# KiCad board panel.kicad_pcb (continued)
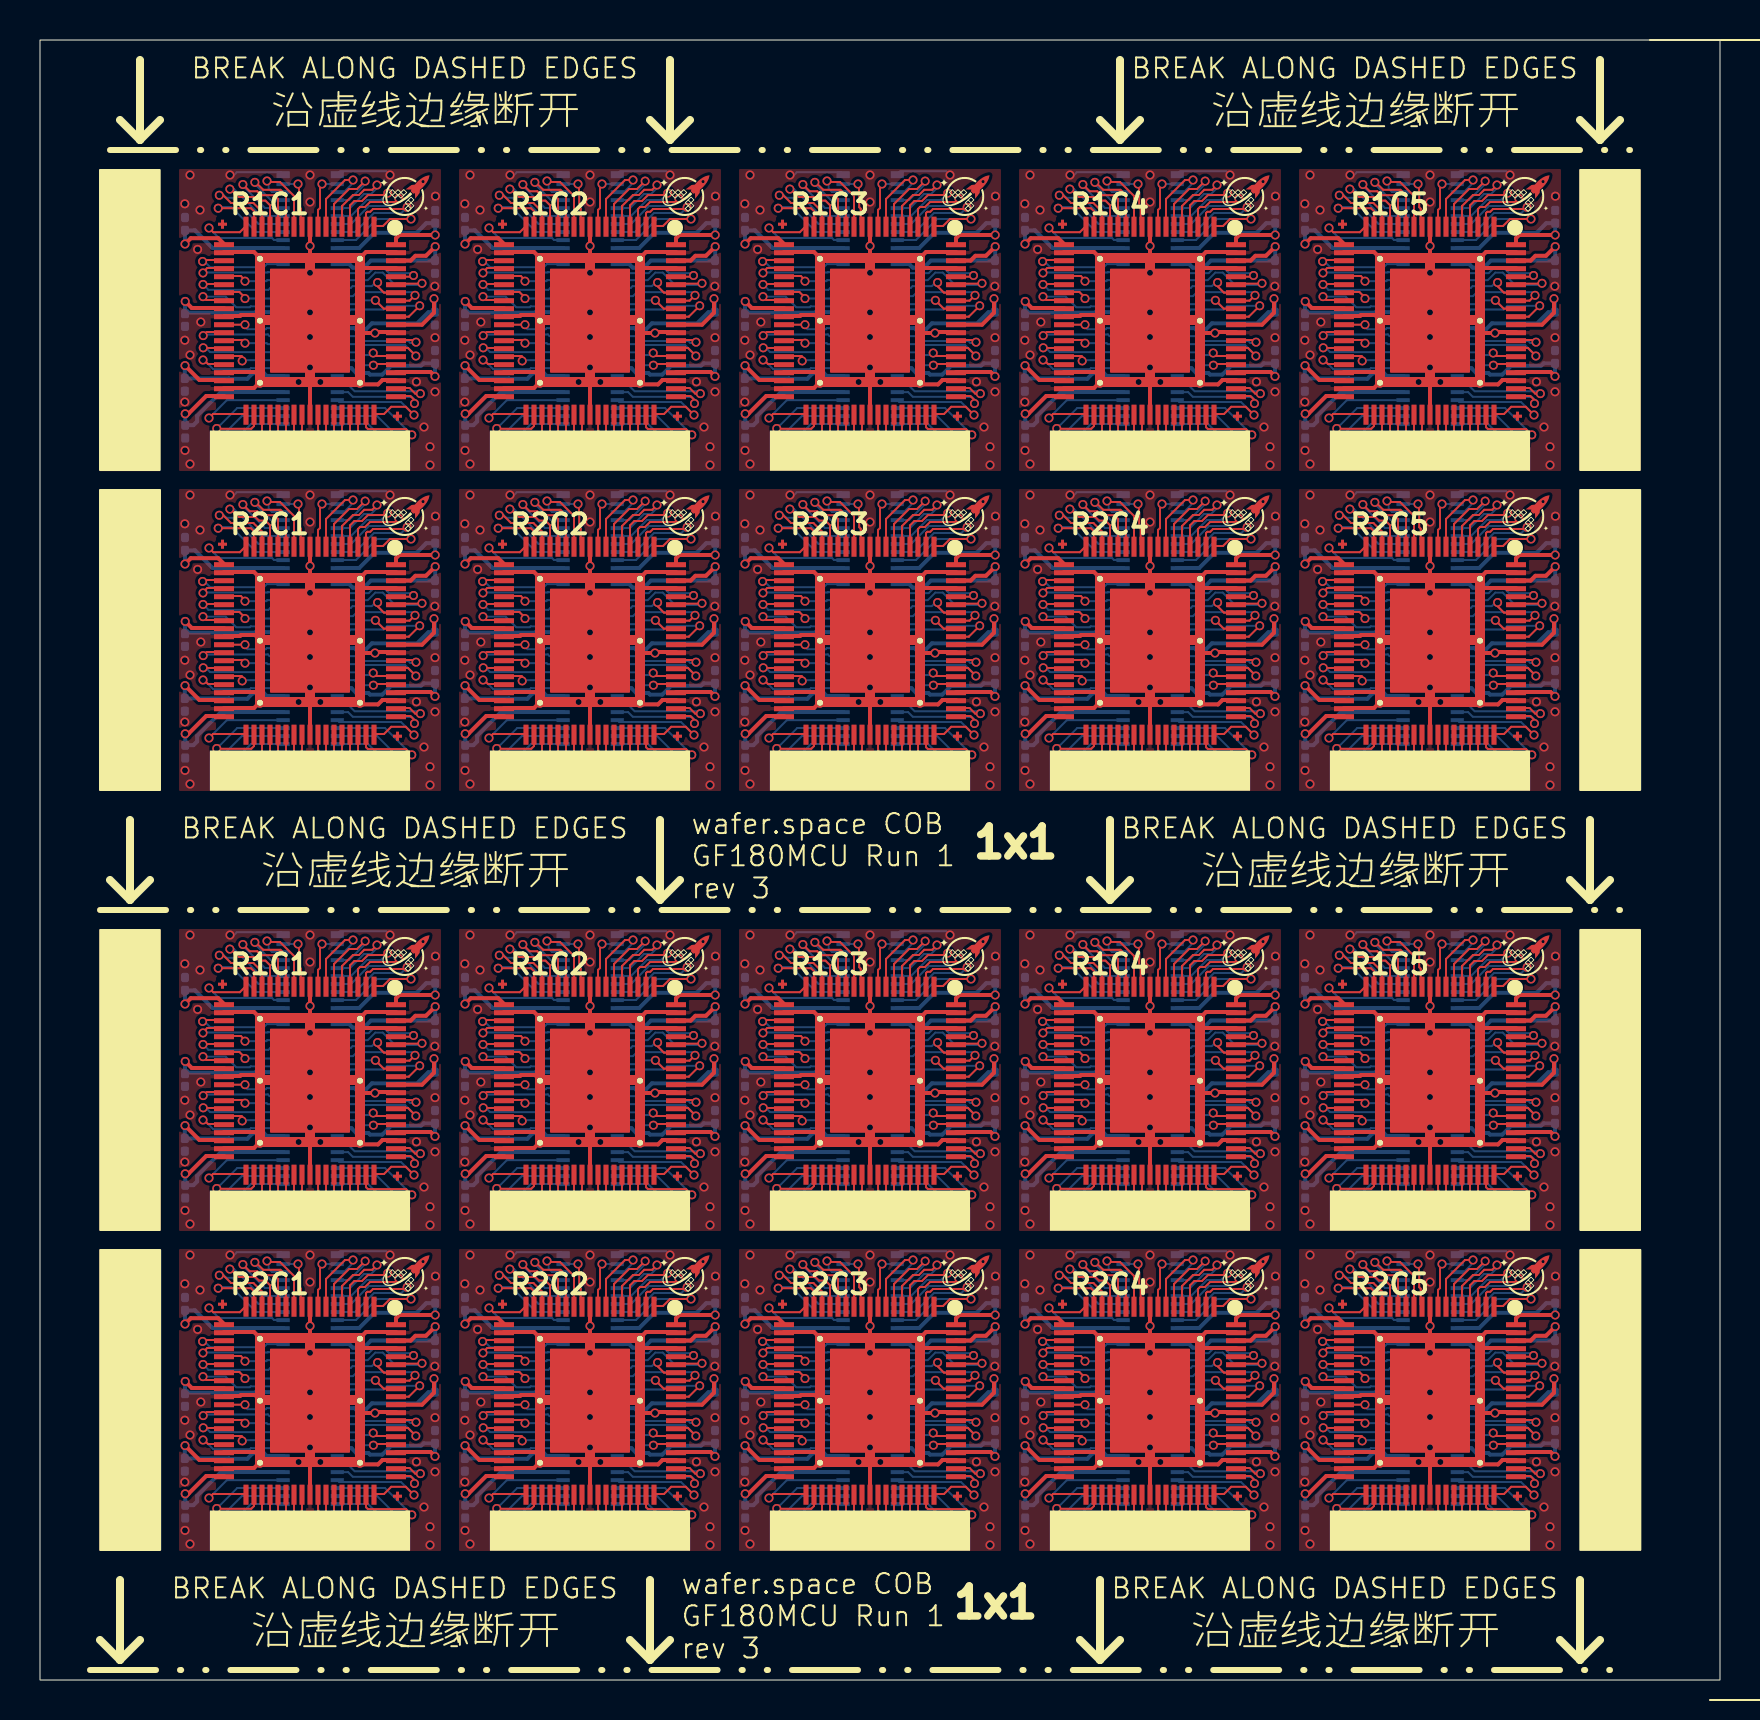
[diagram p0: board, top side]
## Routing (per net, layer and track width the routed paths; a pad name or vN(x,y) marks a point on that pad's centre or on a via; arc(x,y) is an arc through that point) (continued)
VDD_CORE_0: length 159.7
  Top w0.2: v1(63.25,49.72) 63.97,49 65.2,49 ; v1(7.25,49.72) 7.97,49 9.2,49 ; v1(49.25,65.72) 49.97,65 51.2,65 ; 23.2,49 21.97,49 v1(21.25,49.72) ; 51.2,27 49.97,27 v1(49.25,27.72) ; v1(35.25,65.72) 35.97,65 37.2,65 ; 51.2,49 49.97,49 v1(49.25,49.72) ; v1(35.25,11.72) 35.97,11 37.2,11 ; 23.2,11 21.97,11 v1(21.25,11.72) ; v1(63.25,11.72) 63.97,11 65.2,11 ; 51.2,11 49.97,11 v1(49.25,11.72) ; 65.2,27 63.97,27 v1(63.25,27.72) ; v1(21.25,65.72) 21.97,65 23.2,65 ; v1(35.25,49.72) 35.97,49 37.2,49 ; v1(7.25,27.72) 7.97,27 9.2,27 ; 37.2,27 35.97,27 v1(35.25,27.72) ; 9.2,11 7.97,11 v1(7.25,11.72) ; v1(21.25,27.72) 21.97,27 23.2,27 ; 65.2,65 63.97,65 v1(63.25,65.72) ; 9.2,65 7.97,65 v1(7.25,65.72)
  Bottom w0.2: 54.15,49.2 53.34,49.2 53.19,49.34 52.65,49.34 52.36,49.06 51.46,49.06 51.44,49.08 C167.1 49.24,49.71 v1(49.25,49.72) ; v1(35.25,49.72) 35.24,49.71 C159#2.1 37.44,49.08 37.46,49.06 38.36,49.06 38.65,49.34 39.19,49.34 39.34,49.2 40.15,49.2 ; 26.15,11.2 25.34,11.2 25.19,11.34 24.65,11.34 24.36,11.06 23.46,11.06 23.44,11.08 C151.1 21.24,11.71 v1(21.25,11.72) ; v1(7.25,65.72) 7.24,65.71 C103.1 9.44,65.08 9.46,65.06 10.36,65.06 10.65,65.34 11.19,65.34 11.34,65.2 12.15,65.2 ; 12.15,49.2 11.34,49.2 11.19,49.34 10.65,49.34 10.36,49.06 9.46,49.06 9.44,49.08 C143#2.1 7.24,49.71 v1(7.25,49.72) ; v1(35.25,27.72) 35.24,27.71 C119#2.1 37.44,27.08 37.46,27.06 38.36,27.06 38.65,27.34 39.19,27.34 39.34,27.2 40.15,27.2 ; 68.15,11.2 67.34,11.2 67.19,11.34 66.65,11.34 66.36,11.06 65.46,11.06 65.44,11.08 C175.1 63.24,11.71 v1(63.25,11.72) ; v1(49.25,65.72) 49.24,65.71 C127.1 51.44,65.08 51.46,65.06 52.36,65.06 52.65,65.34 53.19,65.34 53.34,65.2 54.15,65.2 ; 26.15,27.2 25.34,27.2 25.19,27.34 24.65,27.34 24.36,27.06 23.46,27.06 23.44,27.08 C111#2.1 21.24,27.71 v1(21.25,27.72) ; v1(21.25,49.72) 21.24,49.71 C151#2.1 23.44,49.08 23.46,49.06 24.36,49.06 24.65,49.34 25.19,49.34 25.34,49.2 26.15,49.2 ; v1(63.25,27.72) 63.24,27.71 C135#2.1 65.44,27.08 65.46,27.06 66.36,27.06 66.65,27.34 67.19,27.34 67.34,27.2 68.15,27.2 ; v1(63.25,65.72) 63.24,65.71 C135.1 65.44,65.08 65.46,65.06 66.36,65.06 66.65,65.34 67.19,65.34 67.34,65.2 68.15,65.2 ; 68.15,49.2 67.34,49.2 67.19,49.34 66.65,49.34 66.36,49.06 65.46,49.06 65.44,49.08 C175#2.1 63.24,49.71 v1(63.25,49.72) ; 26.15,65.2 25.34,65.2 25.19,65.34 24.65,65.34 24.36,65.06 23.46,65.06 23.44,65.08 C111.1 21.24,65.71 v1(21.25,65.72) ; v1(35.25,11.72) 35.24,11.71 C159.1 37.44,11.08 37.46,11.06 38.36,11.06 38.65,11.34 39.19,11.34 39.34,11.2 40.15,11.2 ; v1(35.25,65.72) 35.24,65.71 C119.1 37.44,65.08 37.46,65.06 38.36,65.06 38.65,65.34 39.19,65.34 39.34,65.2 40.15,65.2 ; 12.15,11.2 11.34,11.2 11.19,11.34 10.65,11.34 10.36,11.06 9.46,11.06 9.44,11.08 C143.1 7.24,11.71 v1(7.25,11.72) ; v1(49.25,11.72) 49.24,11.71 C167#2.1 51.44,11.08 51.46,11.06 52.36,11.06 52.65,11.34 53.19,11.34 53.34,11.2 54.15,11.2 ; 54.15,27.2 53.34,27.2 53.19,27.34 52.65,27.34 52.36,27.06 51.46,27.06 51.44,27.08 C127#2.1 49.24,27.71 v1(49.25,27.72) ; v1(7.25,27.72) 7.24,27.71 C103#2.1 9.44,27.08 9.46,27.06 10.36,27.06 10.65,27.34 11.19,27.34 11.34,27.2 12.15,27.2
VDD_CORE_1: length 161.7
  Top w0.2: v1(33.76,33.67) 33.3,33.21 32.77,33.21 32.53,32.97 31.83,32.97 31.8,33 ; 73.8,17 73.83,16.97 74.53,16.97 74.77,17.21 75.3,17.21 v1(75.76,17.67) ; v1(75.76,55.67) 75.3,55.21 74.77,55.21 74.53,54.97 73.83,54.97 73.8,55 ; 59.8,33 59.83,32.97 60.53,32.97 60.77,33.21 61.3,33.21 v1(61.76,33.67) ; 45.8,55 45.83,54.97 46.53,54.97 46.77,55.21 47.3,55.21 v1(47.76,55.67) ; v1(47.76,33.67) 47.3,33.21 46.77,33.21 46.53,32.97 45.83,32.97 45.8,33 ; 31.8,55 31.83,54.97 32.53,54.97 32.77,55.21 33.3,55.21 v1(33.76,55.67) ; 45.8,71 45.83,70.97 46.53,70.97 46.77,71.21 47.3,71.21 v1(47.76,71.67) ; v1(19.76,55.67) 19.3,55.21 18.77,55.21 18.53,54.97 17.83,54.97 17.8,55 ; 17.8,17 17.83,16.97 18.53,16.97 18.77,17.21 19.3,17.21 v1(19.76,17.67) ; v1(33.76,17.67) 33.3,17.21 32.77,17.21 32.53,16.97 31.83,16.97 31.8,17 ; v1(47.76,17.67) 47.3,17.21 46.77,17.21 46.53,16.97 45.83,16.97 45.8,17 ; v1(75.76,33.67) 75.3,33.21 74.77,33.21 74.53,32.97 73.83,32.97 73.8,33 ; v1(61.76,17.67) 61.3,17.21 60.77,17.21 60.53,16.97 59.83,16.97 59.8,17 ; 31.8,71 31.83,70.97 32.53,70.97 32.77,71.21 33.3,71.21 v1(33.76,71.67) ; 73.8,71 73.83,70.97 74.53,70.97 74.77,71.21 75.3,71.21 v1(75.76,71.67) ; 59.8,71 59.83,70.97 60.53,70.97 60.77,71.21 61.3,71.21 v1(61.76,71.67) ; 17.8,33 17.83,32.97 18.53,32.97 18.77,33.21 19.3,33.21 v1(19.76,33.67) ; v1(19.76,71.67) 19.3,71.21 18.77,71.21 18.53,70.97 17.83,70.97 17.8,71 ; 59.8,55 59.83,54.97 60.53,54.97 60.77,55.21 61.3,55.21 v1(61.76,55.67)
  Bottom w0.2: 42.85,54.8 43.46,54.8 43.64,54.61 44.19,54.61 44.55,54.97 C160#2.1 47.76,54.98 v1(47.76,55.67) ; v1(33.76,17.67) 33.76,16.98 C152#2.1 30.55,16.97 30.19,16.61 29.64,16.61 29.46,16.8 28.85,16.8 ; v1(19.76,71.67) 19.76,70.98 C104#2.1 16.55,70.97 16.19,70.61 15.64,70.61 15.46,70.8 14.85,70.8 ; 28.85,70.8 29.46,70.8 29.64,70.61 30.19,70.61 30.55,70.97 C112.1 33.76,70.98 v1(33.76,71.67) ; v1(61.76,55.67) 61.76,54.98 C168.1 58.55,54.97 58.19,54.61 57.64,54.61 57.46,54.8 56.85,54.8 ; v1(47.76,71.67) 47.76,70.98 C120.1 44.55,70.97 44.19,70.61 43.64,70.61 43.46,70.8 42.85,70.8 ; 14.85,32.8 15.46,32.8 15.64,32.61 16.19,32.61 16.55,32.97 C104.1 19.76,32.98 v1(19.76,33.67) ; 56.85,16.8 57.46,16.8 57.64,16.61 58.19,16.61 58.55,16.97 C168#2.1 61.76,16.98 v1(61.76,17.67) ; v1(75.76,55.67) 75.76,54.98 C176.1 72.55,54.97 72.19,54.61 71.64,54.61 71.46,54.8 70.86,54.8 ; v1(61.76,71.67) 61.76,70.98 C128.1 58.55,70.97 58.19,70.61 57.64,70.61 57.46,70.8 56.85,70.8 ; v1(75.76,33.67) 75.76,32.98 C136.1 72.55,32.97 72.19,32.61 71.64,32.61 71.46,32.8 70.86,32.8 ; 42.85,16.8 43.46,16.8 43.64,16.61 44.19,16.61 44.55,16.97 C160.1 47.76,16.98 v1(47.76,17.67) ; v1(19.76,17.67) 19.76,16.98 C144#2.1 16.55,16.97 16.19,16.61 15.64,16.61 15.46,16.8 14.85,16.8 ; v1(19.76,55.67) 19.76,54.98 C144.1 16.55,54.97 16.19,54.61 15.64,54.61 15.46,54.8 14.85,54.8 ; 28.85,32.8 29.46,32.8 29.64,32.61 30.19,32.61 30.55,32.97 C112#2.1 33.76,32.98 v1(33.76,33.67) ; v1(61.76,33.67) 61.76,32.98 C128#2.1 58.55,32.97 58.19,32.61 57.64,32.61 57.46,32.8 56.85,32.8 ; v1(33.76,55.67) 33.76,54.98 C152.1 30.55,54.97 30.19,54.61 29.64,54.61 29.46,54.8 28.85,54.8 ; v1(47.76,33.67) 47.76,32.98 C120#2.1 44.55,32.97 44.19,32.61 43.64,32.61 43.46,32.8 42.85,32.8 ; v1(75.76,71.67) 75.76,70.98 C136#2.1 72.55,70.97 72.19,70.61 71.64,70.61 71.46,70.8 70.86,70.8 ; v1(75.76,17.67) 75.76,16.98 C176#2.1 72.55,16.97 72.19,16.61 71.64,16.61 71.46,16.8 70.86,16.8
VDD_IO_0: length 162.7
  Top w0.2: v1(21.25,17.8) 21.54,18.09 22.91,18.09 23.2,17.8 ; 23.2,55.8 22.91,56.09 21.54,56.09 v1(21.25,55.8) ; v1(35.25,71.8) 35.54,72.09 36.91,72.09 37.2,71.8 ; v1(49.25,71.8) 49.54,72.09 50.91,72.09 51.2,71.8 ; 9.2,71.8 8.91,72.09 7.54,72.09 v1(7.25,71.8) ; v1(63.25,17.8) 63.54,18.09 64.91,18.09 65.2,17.8 ; v1(49.25,17.8) 49.54,18.09 50.91,18.09 51.2,17.8 ; 37.2,17.8 36.91,18.09 35.54,18.09 v1(35.25,17.8) ; v1(63.25,33.8) 63.54,34.09 64.91,34.09 65.2,33.8 ; 51.2,33.8 50.91,34.09 49.54,34.09 v1(49.25,33.8) ; v1(63.25,71.8) 63.54,72.09 64.91,72.09 65.2,71.8 ; v1(21.25,33.8) 21.54,34.09 22.91,34.09 23.2,33.8 ; 9.2,33.8 8.91,34.09 7.54,34.09 v1(7.25,33.8) ; 23.2,71.8 22.91,72.09 21.54,72.09 v1(21.25,71.8) ; v1(63.25,55.8) 63.54,56.09 64.91,56.09 65.2,55.8 ; v1(35.25,33.8) 35.54,34.09 36.91,34.09 37.2,33.8 ; v1(49.25,55.8) 49.54,56.09 50.91,56.09 51.2,55.8 ; 9.2,55.8 8.91,56.09 7.54,56.09 v1(7.25,55.8) ; v1(35.25,55.8) 35.54,56.09 36.91,56.09 37.2,55.8 ; v1(7.25,17.8) 7.54,18.09 8.91,18.09 9.2,17.8
  Bottom w0.2: 68.15,17.6 64.63,17.6 63.74,18.48 C179.1 v1(63.25,17.8) ; 68.15,33.6 64.63,33.6 63.74,34.48 C139#2.1 v1(63.25,33.8) ; v1(7.25,55.8) C147.1 7.74,56.48 8.63,55.6 12.15,55.6 ; 26.15,55.6 22.63,55.6 21.74,56.48 C155#2.1 v1(21.25,55.8) ; v1(7.25,17.8) C147#2.1 7.74,18.48 8.63,17.6 12.15,17.6 ; v1(63.25,55.8) C179#2.1 63.74,56.48 64.63,55.6 68.15,55.6 ; 26.15,71.6 22.63,71.6 21.74,72.48 C115.1 v1(21.25,71.8) ; 40.15,17.6 36.63,17.6 35.74,18.48 C163#2.1 v1(35.25,17.8) ; v1(35.25,55.8) C163.1 35.74,56.48 36.63,55.6 40.15,55.6 ; 54.15,55.6 50.63,55.6 49.74,56.48 C171#2.1 v1(49.25,55.8) ; v1(49.25,71.8) C131.1 49.74,72.48 50.63,71.6 54.15,71.6 ; 54.15,17.6 50.63,17.6 49.74,18.48 C171.1 v1(49.25,17.8) ; v1(49.25,33.8) C131#2.1 49.74,34.48 50.63,33.6 54.15,33.6 ; 12.15,33.6 8.63,33.6 7.74,34.48 C107.1 v1(7.25,33.8) ; 26.15,17.6 22.63,17.6 21.74,18.48 C155.1 v1(21.25,17.8) ; 68.15,71.6 64.63,71.6 63.74,72.48 C139.1 v1(63.25,71.8) ; v1(7.25,71.8) C107#2.1 7.74,72.48 8.63,71.6 12.15,71.6 ; 26.15,33.6 22.63,33.6 21.74,34.48 C115#2.1 v1(21.25,33.8) ; 40.15,33.6 36.63,33.6 35.74,34.48 C123.1 v1(35.25,33.8) ; 40.15,71.6 36.63,71.6 35.74,72.48 C123#2.1 v1(35.25,71.8)
VDD_IO_1: length 172.3
  Top w0.2: v1(35.26,25.31) 35.42,25.31 36.31,26.2 37.2,26.2 ; v1(21.26,25.31) 21.42,25.31 22.31,26.2 23.2,26.2 ; 37.2,48.2 36.31,48.2 35.42,47.31 v1(35.26,47.31) ; v1(7.26,63.31) 7.42,63.31 8.31,64.2 9.2,64.2 ; 51.2,64.2 50.31,64.2 49.42,63.31 v1(49.26,63.31) ; 23.2,48.2 22.31,48.2 21.42,47.31 v1(21.26,47.31) ; 9.2,26.2 8.31,26.2 7.42,25.31 v1(7.26,25.31) ; v1(7.26,47.31) 7.42,47.31 8.31,48.2 9.2,48.2 ; v1(63.26,47.31) 63.42,47.31 64.31,48.2 65.2,48.2 ; v1(21.26,63.31) 21.42,63.31 22.31,64.2 23.2,64.2 ; v1(49.26,47.31) 49.42,47.31 50.31,48.2 51.2,48.2 ; 23.2,10.2 22.31,10.2 21.42,9.31 v1(21.26,9.31) ; 51.2,10.2 50.31,10.2 49.42,9.31 v1(49.26,9.31) ; 65.2,26.2 64.31,26.2 63.42,25.31 v1(63.26,25.31) ; v1(49.26,25.31) 49.42,25.31 50.31,26.2 51.2,26.2 ; v1(63.26,9.31) 63.42,9.31 64.31,10.2 65.2,10.2 ; v1(7.26,9.31) 7.42,9.31 8.31,10.2 9.2,10.2 ; 37.2,64.2 36.31,64.2 35.42,63.31 v1(35.26,63.31) ; 37.2,10.2 36.31,10.2 35.42,9.31 v1(35.26,9.31) ; 65.2,64.2 64.31,64.2 63.42,63.31 v1(63.26,63.31)
  Bottom w0.2: 68.15,10.4 65.05,10.4 63.86,9.21 63.86,8.93 63.67,8.74 C173#2.1 v1(63.26,9.31) ; 12.15,48.4 9.05,48.4 7.86,47.21 7.86,46.93 7.67,46.74 C141#2.1 v1(7.26,47.31) ; v1(35.26,9.31) C157.1 35.67,8.74 35.86,8.93 35.86,9.21 37.05,10.4 40.15,10.4 ; v1(7.26,25.31) C101#2.1 7.67,24.74 7.86,24.93 7.86,25.21 9.05,26.4 12.15,26.4 ; 40.15,48.4 37.05,48.4 35.86,47.21 35.86,46.93 35.67,46.74 C157#2.1 v1(35.26,47.31) ; v1(63.26,25.31) C133.1 63.67,24.74 63.86,24.93 63.86,25.21 65.05,26.4 68.15,26.4 ; 54.15,26.4 51.05,26.4 49.86,25.21 49.86,24.93 49.67,24.74 C125.1 v1(49.26,25.31) ; 68.15,48.4 65.05,48.4 63.86,47.21 63.86,46.93 63.67,46.74 C173.1 v1(63.26,47.31) ; v1(49.26,63.31) C125#2.1 49.67,62.74 49.86,62.93 49.86,63.21 51.05,64.4 54.15,64.4 ; v1(49.26,47.31) C165#2.1 49.67,46.74 49.86,46.93 49.86,47.21 51.05,48.4 54.15,48.4 ; 40.15,26.4 37.05,26.4 35.86,25.21 35.86,24.93 35.67,24.74 C117.1 v1(35.26,25.31) ; 26.15,64.4 23.05,64.4 21.86,63.21 21.86,62.93 21.67,62.74 C109.1 v1(21.26,63.31) ; 26.15,48.4 23.05,48.4 21.86,47.21 21.86,46.93 21.67,46.74 C149.1 v1(21.26,47.31) ; v1(7.26,63.31) C101.1 7.67,62.74 7.86,62.93 7.86,63.21 9.05,64.4 12.15,64.4 ; v1(21.26,25.31) C109#2.1 21.67,24.74 21.86,24.93 21.86,25.21 23.05,26.4 26.15,26.4 ; 68.15,64.4 65.05,64.4 63.86,63.21 63.86,62.93 63.67,62.74 C133#2.1 v1(63.26,63.31) ; v1(49.26,9.31) C165.1 49.67,8.74 49.86,8.93 49.86,9.21 51.05,10.4 54.15,10.4 ; v1(35.26,63.31) C117#2.1 35.67,62.74 35.86,62.93 35.86,63.21 37.05,64.4 40.15,64.4 ; v1(7.26,9.31) C141.1 7.67,8.74 7.86,8.93 7.86,9.21 9.05,10.4 12.15,10.4 ; v1(21.26,9.31) C149#2.1 21.67,8.74 21.86,8.93 21.86,9.21 23.05,10.4 26.15,10.4
VDD_IO_2: length 159
  Top w0.2: 31.8,11.4 33.53,11.4 v1(33.75,11.18) ; 73.8,49.4 75.53,49.4 v1(75.75,49.18) ; v1(19.75,11.18) 19.53,11.4 17.8,11.4 ; v1(47.75,27.18) 47.53,27.4 45.8,27.4 ; v1(19.75,65.18) 19.53,65.4 17.8,65.4 ; v1(33.75,27.18) 33.53,27.4 31.8,27.4 ; 31.8,65.4 33.53,65.4 v1(33.75,65.18) ; v1(47.75,49.18) 47.53,49.4 45.8,49.4 ; v1(75.75,65.18) 75.53,65.4 73.8,65.4 ; 59.8,65.4 61.53,65.4 v1(61.75,65.18) ; v1(75.75,27.18) 75.53,27.4 73.8,27.4 ; v1(61.75,27.18) 61.53,27.4 59.8,27.4 ; v1(47.75,11.18) 47.53,11.4 45.8,11.4 ; 59.8,49.4 61.53,49.4 v1(61.75,49.18) ; v1(75.75,11.18) 75.53,11.4 73.8,11.4 ; v1(47.75,65.18) 47.53,65.4 45.8,65.4 ; v1(19.75,27.18) 19.53,27.4 17.8,27.4 ; 31.8,49.4 33.53,49.4 v1(33.75,49.18) ; 17.8,49.4 19.53,49.4 v1(19.75,49.18) ; v1(61.75,11.18) 61.53,11.4 59.8,11.4
  Bottom w0.2: U105#2.24 43.57,27.59 43.81,27.35 44.42,27.35 44.5,27.27 45.12,27.27 45.56,27.71 47.05,27.71 47.18,27.83 47.75,27.83 v1(47.75,27.18) ; v1(33.75,49.18) 33.75,49.83 33.18,49.83 33.05,49.71 31.56,49.71 31.12,49.27 30.5,49.27 30.42,49.35 29.81,49.35 29.57,49.59 U113#2.24 ; U117.24 57.57,49.59 57.81,49.35 58.42,49.35 58.5,49.27 59.12,49.27 59.56,49.71 61.05,49.71 61.18,49.83 61.75,49.83 v1(61.75,49.18) ; v1(19.75,65.18) C108#2.1 19.18,65.84 19.05,65.71 17.56,65.71 17.12,65.27 16.5,65.27 16.42,65.35 15.81,65.35 15.57,65.59 U101#2.24 ; v1(75.75,11.18) 75.75,11.83 75.18,11.83 75.05,11.71 73.56,11.71 73.12,11.27 72.5,11.27 72.42,11.35 71.81,11.35 71.57,11.59 U119#2.24 ; U107#2.24 57.57,27.59 57.81,27.35 58.42,27.35 58.5,27.27 59.12,27.27 59.56,27.71 61.05,27.71 61.18,27.83 61.75,27.83 v1(61.75,27.18) ; v1(33.75,27.18) 33.75,27.83 33.18,27.83 33.05,27.71 31.56,27.71 31.12,27.27 30.5,27.27 30.42,27.35 29.81,27.35 29.57,27.59 U103.24 ; U111#2.24 15.57,49.59 15.81,49.35 16.42,49.35 16.5,49.27 17.12,49.27 17.56,49.71 19.05,49.71 19.18,49.83 19.75,49.83 v1(19.75,49.18) ; U115.24 43.57,49.59 43.81,49.35 44.42,49.35 44.5,49.27 45.12,49.27 45.56,49.71 47.05,49.71 47.18,49.83 47.75,49.83 v1(47.75,49.18) ; U107.24 57.57,65.59 57.81,65.35 58.42,65.35 58.5,65.27 59.12,65.27 59.56,65.71 61.05,65.71 61.18,65.84 C132#2.1 v1(61.75,65.18) ; v1(19.75,11.18) 19.75,11.83 19.18,11.83 19.05,11.71 17.56,11.71 17.12,11.27 16.5,11.27 16.42,11.35 15.81,11.35 15.57,11.59 U111.24 ; v1(19.75,27.18) 19.75,27.83 19.18,27.83 19.05,27.71 17.56,27.71 17.12,27.27 16.5,27.27 16.42,27.35 15.81,27.35 15.57,27.59 U101.24 ; U105.24 43.57,65.59 43.81,65.35 44.42,65.35 44.5,65.27 45.12,65.27 45.56,65.71 47.05,65.71 47.18,65.84 C124#2.1 v1(47.75,65.18) ; U109#2.24 71.57,65.59 71.81,65.35 72.42,65.35 72.5,65.27 73.12,65.27 73.56,65.71 75.05,65.71 75.18,65.84 C140#2.1 v1(75.75,65.18) ; U109.24 71.57,27.59 71.81,27.35 72.42,27.35 72.5,27.27 73.12,27.27 73.56,27.71 75.05,27.71 75.18,27.83 75.75,27.83 v1(75.75,27.18) ; U113.24 29.57,11.59 29.81,11.35 30.42,11.35 30.5,11.27 31.12,11.27 31.56,11.71 33.05,11.71 33.18,11.83 33.75,11.83 v1(33.75,11.18) ; v1(75.75,49.18) 75.75,49.83 75.18,49.83 75.05,49.71 73.56,49.71 73.12,49.27 72.5,49.27 72.42,49.35 71.81,49.35 71.57,49.59 U119.24 ; v1(61.75,11.18) 61.75,11.83 61.18,11.83 61.05,11.71 59.56,11.71 59.12,11.27 58.5,11.27 58.42,11.35 57.81,11.35 57.57,11.59 U117#2.24 ; v1(47.75,11.18) 47.75,11.83 47.18,11.83 47.05,11.71 45.56,11.71 45.12,11.27 44.5,11.27 44.42,11.35 43.81,11.35 43.57,11.59 U115#2.24 ; v1(33.75,65.18) C116#2.1 33.18,65.84 33.05,65.71 31.56,65.71 31.12,65.27 30.5,65.27 30.42,65.35 29.81,65.35 29.57,65.59 U103#2.24
VDD_IO_3: length 166.5
  Top w0.2: 31.8,17.8 31.8,18.09 31.96,18.25 v1(33.76,18.25) ; v1(75.76,18.25) 73.96,18.25 73.8,18.09 73.8,17.8 ; 59.8,55.8 59.8,56.09 59.96,56.25 v1(61.76,56.25) ; v1(47.76,34.25) 45.96,34.25 45.8,34.09 45.8,33.8 ; v1(19.76,34.25) 17.96,34.25 17.8,34.09 17.8,33.8 ; v1(33.76,34.25) 31.96,34.25 31.8,34.09 31.8,33.8 ; v1(75.76,72.25) 73.96,72.25 73.8,72.09 73.8,71.8 ; v1(19.76,18.25) 17.96,18.25 17.8,18.09 17.8,17.8 ; 17.8,71.8 17.8,72.09 17.96,72.25 v1(19.76,72.25) ; v1(61.76,18.25) 59.96,18.25 59.8,18.09 59.8,17.8 ; 17.8,55.8 17.8,56.09 17.96,56.25 v1(19.76,56.25) ; 45.8,55.8 45.8,56.09 45.96,56.25 v1(47.76,56.25) ; v1(47.76,72.25) 45.96,72.25 45.8,72.09 45.8,71.8 ; 73.8,33.8 73.8,34.09 73.96,34.25 v1(75.76,34.25) ; v1(75.76,56.25) 73.96,56.25 73.8,56.09 73.8,55.8 ; 59.8,33.8 59.8,34.09 59.96,34.25 v1(61.76,34.25) ; v1(61.76,72.25) 59.96,72.25 59.8,72.09 59.8,71.8 ; v1(33.76,72.25) 31.96,72.25 31.8,72.09 31.8,71.8 ; v1(47.76,18.25) 45.96,18.25 45.8,18.09 45.8,17.8 ; 31.8,55.8 31.8,56.09 31.96,56.25 v1(33.76,56.25)
  Bottom w0.2: v1(61.76,18.25) C166.1 61.31,18.84 60.83,18.36 58.72,18.36 57.96,17.6 56.85,17.6 ; v1(75.76,18.25) C174#2.1 75.31,18.84 74.83,18.36 72.72,18.36 71.96,17.6 70.86,17.6 ; 70.86,55.6 71.96,55.6 72.72,56.36 74.83,56.36 75.31,56.84 C174.1 v1(75.76,56.25) ; 42.85,33.6 43.96,33.6 44.72,34.36 46.83,34.36 47.31,34.84 C118.1 v1(47.76,34.25) ; v1(19.76,18.25) C142#2.1 19.31,18.84 18.83,18.36 16.72,18.36 15.96,17.6 14.85,17.6 ; v1(47.76,18.25) C158.1 47.31,18.84 46.83,18.36 44.72,18.36 43.96,17.6 42.85,17.6 ; 28.85,33.6 29.96,33.6 30.72,34.36 32.83,34.36 33.31,34.84 C110.1 v1(33.76,34.25) ; v1(33.76,18.25) C150.1 33.31,18.84 32.83,18.36 30.72,18.36 29.96,17.6 28.85,17.6 ; 42.85,55.6 43.96,55.6 44.72,56.36 46.83,56.36 47.31,56.84 C158#2.1 v1(47.76,56.25) ; 70.86,33.6 71.96,33.6 72.72,34.36 74.83,34.36 75.31,34.84 C134.1 v1(75.76,34.25) ; 14.85,71.6 15.96,71.6 16.72,72.36 18.83,72.36 19.31,72.84 C102#2.1 v1(19.76,72.25) ; v1(33.76,56.25) C150#2.1 33.31,56.84 32.83,56.36 30.72,56.36 29.96,55.6 28.85,55.6 ; v1(75.76,72.25) C134#2.1 75.31,72.84 74.83,72.36 72.72,72.36 71.96,71.6 70.86,71.6 ; v1(19.76,34.25) C102.1 19.31,34.84 18.83,34.36 16.72,34.36 15.96,33.6 14.85,33.6 ; 28.85,71.6 29.96,71.6 30.72,72.36 32.83,72.36 33.31,72.84 C110#2.1 v1(33.76,72.25) ; 56.85,55.6 57.96,55.6 58.72,56.36 60.83,56.36 61.31,56.84 C166#2.1 v1(61.76,56.25) ; 14.85,55.6 15.96,55.6 16.72,56.36 18.83,56.36 19.31,56.84 C142.1 v1(19.76,56.25) ; v1(47.76,72.25) C118#2.1 47.31,72.84 46.83,72.36 44.72,72.36 43.96,71.6 42.85,71.6 ; 56.85,71.6 57.96,71.6 58.72,72.36 60.83,72.36 61.31,72.84 C126.1 v1(61.76,72.25) ; 56.85,33.6 57.96,33.6 58.72,34.36 60.83,34.36 61.31,34.84 C126#2.1 v1(61.76,34.25)
/pad_0: length 122.5
  Top w0.1: v1(60.55,57.05) 59.5,57.05 59.15,56.7 58.7,56.7 ; v1(74.55,35.05) 73.5,35.05 73.15,34.7 72.7,34.7 ; v1(32.55,57.05) 31.5,57.05 31.15,56.7 30.7,56.7 ; 58.7,18.7 59.15,18.7 59.5,19.05 v1(60.55,19.05) ; 44.7,34.7 45.15,34.7 45.5,35.05 v1(46.55,35.05) ; 44.7,18.7 45.15,18.7 45.5,19.05 v1(46.55,19.05) ; 30.7,18.7 31.15,18.7 31.5,19.05 v1(32.55,19.05) ; v1(18.55,57.05) 17.5,57.05 17.15,56.7 16.7,56.7 ; v1(74.55,57.05) 73.5,57.05 73.15,56.7 72.7,56.7 ; v1(18.55,19.05) 17.5,19.05 17.15,18.7 16.7,18.7 ; v1(60.55,35.05) 59.5,35.05 59.15,34.7 58.7,34.7 ; v1(74.55,73.05) 73.5,73.05 73.15,72.7 72.7,72.7 ; v1(60.55,73.05) 59.5,73.05 59.15,72.7 58.7,72.7 ; v1(46.55,57.05) 45.5,57.05 45.15,56.7 44.7,56.7 ; 30.7,34.7 31.15,34.7 31.5,35.05 v1(32.55,35.05) ; 30.7,72.7 31.15,72.7 31.5,73.05 v1(32.55,73.05) ; 16.7,72.7 17.15,72.7 17.5,73.05 v1(18.55,73.05) ; v1(46.55,73.05) 45.5,73.05 45.15,72.7 44.7,72.7 ; 72.7,18.7 73.15,18.7 73.5,19.05 v1(74.55,19.05) ; v1(18.55,35.05) 17.5,35.05 17.15,34.7 16.7,34.7
  Bottom w0.1: 14.85,56 15.8,56 16.85,57.05 v1(18.55,57.05) ; 28.85,18 29.8,18 30.85,19.05 v1(32.55,19.05) ; 70.86,56 71.8,56 72.85,57.05 v1(74.55,57.05) ; 42.85,34 43.8,34 44.85,35.05 v1(46.55,35.05) ; v1(18.55,19.05) 16.85,19.05 15.8,18 14.85,18 ; v1(46.55,73.05) 44.85,73.05 43.8,72 42.85,72 ; 56.85,34 57.8,34 58.85,35.05 v1(60.55,35.05) ; v1(60.55,57.05) 58.85,57.05 57.8,56 56.85,56 ; 70.86,72 71.8,72 72.85,73.05 v1(74.55,73.05) ; v1(32.55,35.05) 30.85,35.05 29.8,34 28.85,34 ; v1(18.55,35.05) 16.85,35.05 15.8,34 14.85,34 ; v1(32.55,73.05) 30.85,73.05 29.8,72 28.85,72 ; 42.85,56 43.8,56 44.85,57.05 v1(46.55,57.05) ; 70.86,34 71.8,34 72.85,35.05 v1(74.55,35.05) ; 42.85,18 43.8,18 44.85,19.05 v1(46.55,19.05) ; v1(74.55,19.05) 72.85,19.05 71.8,18 70.86,18 ; v1(18.55,73.05) 16.85,73.05 15.8,72 14.85,72 ; v1(60.55,73.05) 58.85,73.05 57.8,72 56.85,72 ; 28.85,56 29.8,56 30.85,57.05 v1(32.55,57.05) ; v1(60.55,19.05) 58.85,19.05 57.8,18 56.85,18
/pad_1: length 136.8
  Top w0.1: v1(18.36,19.64) 18.27,19.55 16.65,19.55 16.51,19.41 16.36,19.41 16.3,19.35 16.3,18.7 ; v1(18.36,73.64) 18.27,73.55 16.65,73.55 16.51,73.41 16.36,73.41 16.3,73.35 16.3,72.7 ; v1(60.36,35.64) 60.27,35.55 58.65,35.55 58.51,35.41 58.36,35.41 58.3,35.35 58.3,34.7 ; 58.3,18.7 58.3,19.35 58.36,19.41 58.51,19.41 58.65,19.55 60.27,19.55 v1(60.36,19.64) ; v1(74.36,73.64) 74.27,73.55 72.65,73.55 72.51,73.41 72.36,73.41 72.3,73.35 72.3,72.7 ; 72.3,34.7 72.3,35.35 72.36,35.41 72.51,35.41 72.65,35.55 74.27,35.55 v1(74.36,35.64) ; 44.3,34.7 44.3,35.35 44.36,35.41 44.51,35.41 44.65,35.55 46.27,35.55 v1(46.36,35.64) ; 44.3,72.7 44.3,73.35 44.36,73.41 44.51,73.41 44.65,73.55 46.27,73.55 v1(46.36,73.64) ; 58.3,72.7 58.3,73.35 58.36,73.41 58.51,73.41 58.65,73.55 60.27,73.55 v1(60.36,73.64) ; v1(74.36,19.64) 74.27,19.55 72.65,19.55 72.51,19.41 72.36,19.41 72.3,19.35 72.3,18.7 ; 16.3,34.7 16.3,35.35 16.36,35.41 16.51,35.41 16.65,35.55 18.27,35.55 v1(18.36,35.64) ; v1(32.36,73.64) 32.27,73.55 30.65,73.55 30.51,73.41 30.36,73.41 30.3,73.35 30.3,72.7 ; v1(32.36,57.64) 32.27,57.55 30.65,57.55 30.51,57.41 30.36,57.41 30.3,57.35 30.3,56.7 ; 44.3,56.7 44.3,57.35 44.36,57.41 44.51,57.41 44.65,57.55 46.27,57.55 v1(46.36,57.64) ; 72.3,56.7 72.3,57.35 72.36,57.41 72.51,57.41 72.65,57.55 74.27,57.55 v1(74.36,57.64) ; 30.3,34.7 30.3,35.35 30.36,35.41 30.51,35.41 30.65,35.55 32.27,35.55 v1(32.36,35.64) ; v1(32.36,19.64) 32.27,19.55 30.65,19.55 30.51,19.41 30.36,19.41 30.3,19.35 30.3,18.7 ; v1(18.36,57.64) 18.27,57.55 16.65,57.55 16.51,57.41 16.36,57.41 16.3,57.35 16.3,56.7 ; 58.3,56.7 58.3,57.35 58.36,57.41 58.51,57.41 58.65,57.55 60.27,57.55 v1(60.36,57.64) ; v1(46.36,19.64) 46.27,19.55 44.65,19.55 44.51,19.41 44.36,19.41 44.3,19.35 44.3,18.7
  Bottom w0.1: v1(46.36,35.64) 46.07,35.35 44.7,35.35 43.75,34.4 42.85,34.4 ; 28.85,18.4 29.75,18.4 30.7,19.35 32.07,19.35 v1(32.36,19.64) ; v1(60.36,19.64) 60.07,19.35 58.7,19.35 57.75,18.4 56.85,18.4 ; v1(32.36,35.64) 32.07,35.35 30.7,35.35 29.75,34.4 28.85,34.4 ; 14.85,56.4 15.75,56.4 16.7,57.35 18.07,57.35 v1(18.36,57.64) ; 14.85,72.4 15.75,72.4 16.7,73.35 18.07,73.35 v1(18.36,73.64) ; 14.85,18.4 15.75,18.4 16.7,19.35 18.07,19.35 v1(18.36,19.64) ; 56.85,34.4 57.75,34.4 58.7,35.35 60.07,35.35 v1(60.36,35.64) ; v1(60.36,73.64) 60.07,73.35 58.7,73.35 57.75,72.4 56.85,72.4 ; v1(46.36,19.64) 46.07,19.35 44.7,19.35 43.75,18.4 42.85,18.4 ; v1(46.36,73.64) 46.07,73.35 44.7,73.35 43.75,72.4 42.85,72.4 ; v1(74.36,57.64) 74.07,57.35 72.7,57.35 71.75,56.4 70.86,56.4 ; 56.85,56.4 57.75,56.4 58.7,57.35 60.07,57.35 v1(60.36,57.64) ; v1(74.36,73.64) 74.07,73.35 72.7,73.35 71.75,72.4 70.86,72.4 ; 70.86,18.4 71.75,18.4 72.7,19.35 74.07,19.35 v1(74.36,19.64) ; 28.85,72.4 29.75,72.4 30.7,73.35 32.07,73.35 v1(32.36,73.64) ; v1(32.36,57.64) 32.07,57.35 30.7,57.35 29.75,56.4 28.85,56.4 ; v1(46.36,57.64) 46.07,57.35 44.7,57.35 43.75,56.4 42.85,56.4 ; 14.85,34.4 15.75,34.4 16.7,35.35 18.07,35.35 v1(18.36,35.64) ; 70.86,34.4 71.75,34.4 72.7,35.35 74.07,35.35 v1(74.36,35.64)
/pad_2: length 134.5
  Top w0.1: v1(59.94,58.08) 59.76,57.9 58.5,57.9 58.25,57.65 58,57.65 57.9,57.55 57.9,56.7 ; v1(17.94,36.08) 17.76,35.9 16.5,35.9 16.25,35.65 16,35.65 15.9,35.55 15.9,34.7 ; 43.9,56.7 43.9,57.55 44,57.65 44.25,57.65 44.5,57.9 45.76,57.9 v1(45.94,58.08) ; 15.9,56.7 15.9,57.55 16,57.65 16.25,57.65 16.5,57.9 17.76,57.9 v1(17.94,58.08) ; v1(31.94,58.08) 31.76,57.9 30.5,57.9 30.25,57.65 30,57.65 29.9,57.55 29.9,56.7 ; v1(59.94,20.08) 59.76,19.9 58.5,19.9 58.25,19.65 58,19.65 57.9,19.55 57.9,18.7 ; v1(17.94,74.08) 17.76,73.9 16.5,73.9 16.25,73.65 16,73.65 15.9,73.55 15.9,72.7 ; 43.9,72.7 43.9,73.55 44,73.65 44.25,73.65 44.5,73.9 45.76,73.9 v1(45.94,74.08) ; v1(31.94,20.08) 31.76,19.9 30.5,19.9 30.25,19.65 30,19.65 29.9,19.55 29.9,18.7 ; v1(59.94,74.08) 59.76,73.9 58.5,73.9 58.25,73.65 58,73.65 57.9,73.55 57.9,72.7 ; v1(31.94,74.08) 31.76,73.9 30.5,73.9 30.25,73.65 30,73.65 29.9,73.55 29.9,72.7 ; 29.9,34.7 29.9,35.55 30,35.65 30.25,35.65 30.5,35.9 31.76,35.9 v1(31.94,36.08) ; 71.9,34.7 71.9,35.55 72,35.65 72.25,35.65 72.5,35.9 73.76,35.9 v1(73.94,36.08) ; 15.9,18.7 15.9,19.55 16,19.65 16.25,19.65 16.5,19.9 17.76,19.9 v1(17.94,20.08) ; 71.9,18.7 71.9,19.55 72,19.65 72.25,19.65 72.5,19.9 73.76,19.9 v1(73.94,20.08) ; 43.9,34.7 43.9,35.55 44,35.65 44.25,35.65 44.5,35.9 45.76,35.9 v1(45.94,36.08) ; 71.9,72.7 71.9,73.55 72,73.65 72.25,73.65 72.5,73.9 73.76,73.9 v1(73.94,74.08) ; v1(45.94,20.08) 45.76,19.9 44.5,19.9 44.25,19.65 44,19.65 43.9,19.55 43.9,18.7 ; v1(59.94,36.08) 59.76,35.9 58.5,35.9 58.25,35.65 58,35.65 57.9,35.55 57.9,34.7 ; v1(73.94,58.08) 73.76,57.9 72.5,57.9 72.25,57.65 72,57.65 71.9,57.55 71.9,56.7
  Bottom w0.1: v1(17.94,58.08) 17.56,57.7 16.45,57.7 15.55,56.8 14.85,56.8 ; 56.85,34.8 57.55,34.8 58.45,35.7 59.56,35.7 v1(59.94,36.08) ; 42.85,56.8 43.55,56.8 44.45,57.7 45.56,57.7 v1(45.94,58.08) ; v1(59.94,58.08) 59.56,57.7 58.45,57.7 57.55,56.8 56.85,56.8 ; 70.86,56.8 71.55,56.8 72.45,57.7 73.56,57.7 v1(73.94,58.08) ; 42.85,34.8 43.55,34.8 44.45,35.7 45.56,35.7 v1(45.94,36.08) ; 42.85,72.8 43.55,72.8 44.45,73.7 45.56,73.7 v1(45.94,74.08) ; v1(17.94,74.08) 17.56,73.7 16.45,73.7 15.55,72.8 14.85,72.8 ; 70.86,18.8 71.55,18.8 72.45,19.7 73.56,19.7 v1(73.94,20.08) ; v1(73.94,74.08) 73.56,73.7 72.45,73.7 71.55,72.8 70.86,72.8 ; 56.85,72.8 57.55,72.8 58.45,73.7 59.56,73.7 v1(59.94,74.08) ; v1(31.94,36.08) 31.56,35.7 30.45,35.7 29.55,34.8 28.85,34.8 ; v1(45.94,20.08) 45.56,19.7 44.45,19.7 43.55,18.8 42.85,18.8 ; 28.85,56.8 29.55,56.8 30.45,57.7 31.56,57.7 v1(31.94,58.08) ; v1(17.94,36.08) 17.56,35.7 16.45,35.7 15.55,34.8 14.85,34.8 ; 28.85,72.8 29.55,72.8 30.45,73.7 31.56,73.7 v1(31.94,74.08) ; 56.85,18.8 57.55,18.8 58.45,19.7 59.56,19.7 v1(59.94,20.08) ; 14.85,18.8 15.55,18.8 16.45,19.7 17.56,19.7 v1(17.94,20.08) ; 28.85,18.8 29.55,18.8 30.45,19.7 31.56,19.7 v1(31.94,20.08) ; v1(73.94,36.08) 73.56,35.7 72.45,35.7 71.55,34.8 70.86,34.8
/pad_3: length 123.7
  Top w0.1: v1(31.39,74.34) 31.3,74.25 30.72,74.25 30.72,74.25 30.4,74.25 30.1,73.95 29.72,73.95 29.5,73.73 29.5,72.7 ; 57.5,18.7 57.5,19.73 57.72,19.95 58.1,19.95 58.4,20.25 58.72,20.25 58.72,20.25 59.3,20.25 v1(59.39,20.34) ; v1(59.39,58.34) 59.3,58.25 58.72,58.25 58.72,58.25 58.4,58.25 58.1,57.95 57.72,57.95 57.5,57.73 57.5,56.7 ; v1(17.39,36.34) 17.3,36.25 16.72,36.25 16.72,36.25 16.4,36.25 16.1,35.95 15.72,35.95 15.5,35.73 15.5,34.7 ; 71.5,18.7 71.5,19.73 71.72,19.95 72.1,19.95 72.4,20.25 72.72,20.25 72.72,20.25 73.3,20.25 v1(73.39,20.34) ; 43.5,72.7 43.5,73.73 43.72,73.95 44.1,73.95 44.4,74.25 44.72,74.25 44.72,74.25 45.3,74.25 v1(45.39,74.34) ; 71.5,34.7 71.5,35.73 71.72,35.95 72.1,35.95 72.4,36.25 72.72,36.25 72.72,36.25 73.3,36.25 v1(73.39,36.34) ; 15.5,72.7 15.5,73.73 15.72,73.95 16.1,73.95 16.4,74.25 16.72,74.25 16.72,74.25 17.3,74.25 v1(17.39,74.34) ; v1(59.39,74.34) 59.3,74.25 58.72,74.25 58.72,74.25 58.4,74.25 58.1,73.95 57.72,73.95 57.5,73.73 57.5,72.7 ; v1(45.39,58.34) 45.3,58.25 44.72,58.25 44.72,58.25 44.4,58.25 44.1,57.95 43.72,57.95 43.5,57.73 43.5,56.7 ; 57.5,34.7 57.5,35.73 57.72,35.95 58.1,35.95 58.4,36.25 58.72,36.25 58.72,36.25 59.3,36.25 v1(59.39,36.34) ; v1(17.39,20.34) 17.3,20.25 16.72,20.25 16.72,20.25 16.4,20.25 16.1,19.95 15.72,19.95 15.5,19.73 15.5,18.7 ; v1(31.39,20.34) 31.3,20.25 30.72,20.25 30.72,20.25 30.4,20.25 30.1,19.95 29.72,19.95 29.5,19.73 29.5,18.7 ; 43.5,18.7 43.5,19.73 43.72,19.95 44.1,19.95 44.4,20.25 44.72,20.25 44.72,20.25 45.3,20.25 v1(45.39,20.34) ; v1(31.39,36.34) 31.3,36.25 30.72,36.25 30.72,36.25 30.4,36.25 30.1,35.95 29.72,35.95 29.5,35.73 29.5,34.7 ; v1(45.39,36.34) 45.3,36.25 44.72,36.25 44.72,36.25 44.4,36.25 44.1,35.95 43.72,35.95 43.5,35.73 43.5,34.7 ; 15.5,56.7 15.5,57.73 15.72,57.95 16.1,57.95 16.4,58.25 16.72,58.25 16.72,58.25 17.3,58.25 v1(17.39,58.34) ; v1(31.39,58.34) 31.3,58.25 30.72,58.25 30.72,58.25 30.4,58.25 30.1,57.95 29.72,57.95 29.5,57.73 29.5,56.7 ; v1(73.39,58.34) 73.3,58.25 72.72,58.25 72.72,58.25 72.4,58.25 72.1,57.95 71.72,57.95 71.5,57.73 71.5,56.7 ; 71.5,72.7 71.5,73.73 71.72,73.95 72.1,73.95 72.4,74.25 72.72,74.25 72.72,74.25 73.3,74.25 v1(73.39,74.34)